# Altium PCB OpenBMS.PcbDoc (part 1 of 2)
Units mm, origin at the board's own origin, x right, y up, seen from the top; angles counter-clockwise.
Board outline 133 x 136.5 mm, 2 copper layers (Top Layer, Bottom Layer), stack 1.571 mm thick; 155 components, 104 nets, 805 pads, 63 vias.
Unrouted connection lines stored in the file: 35.
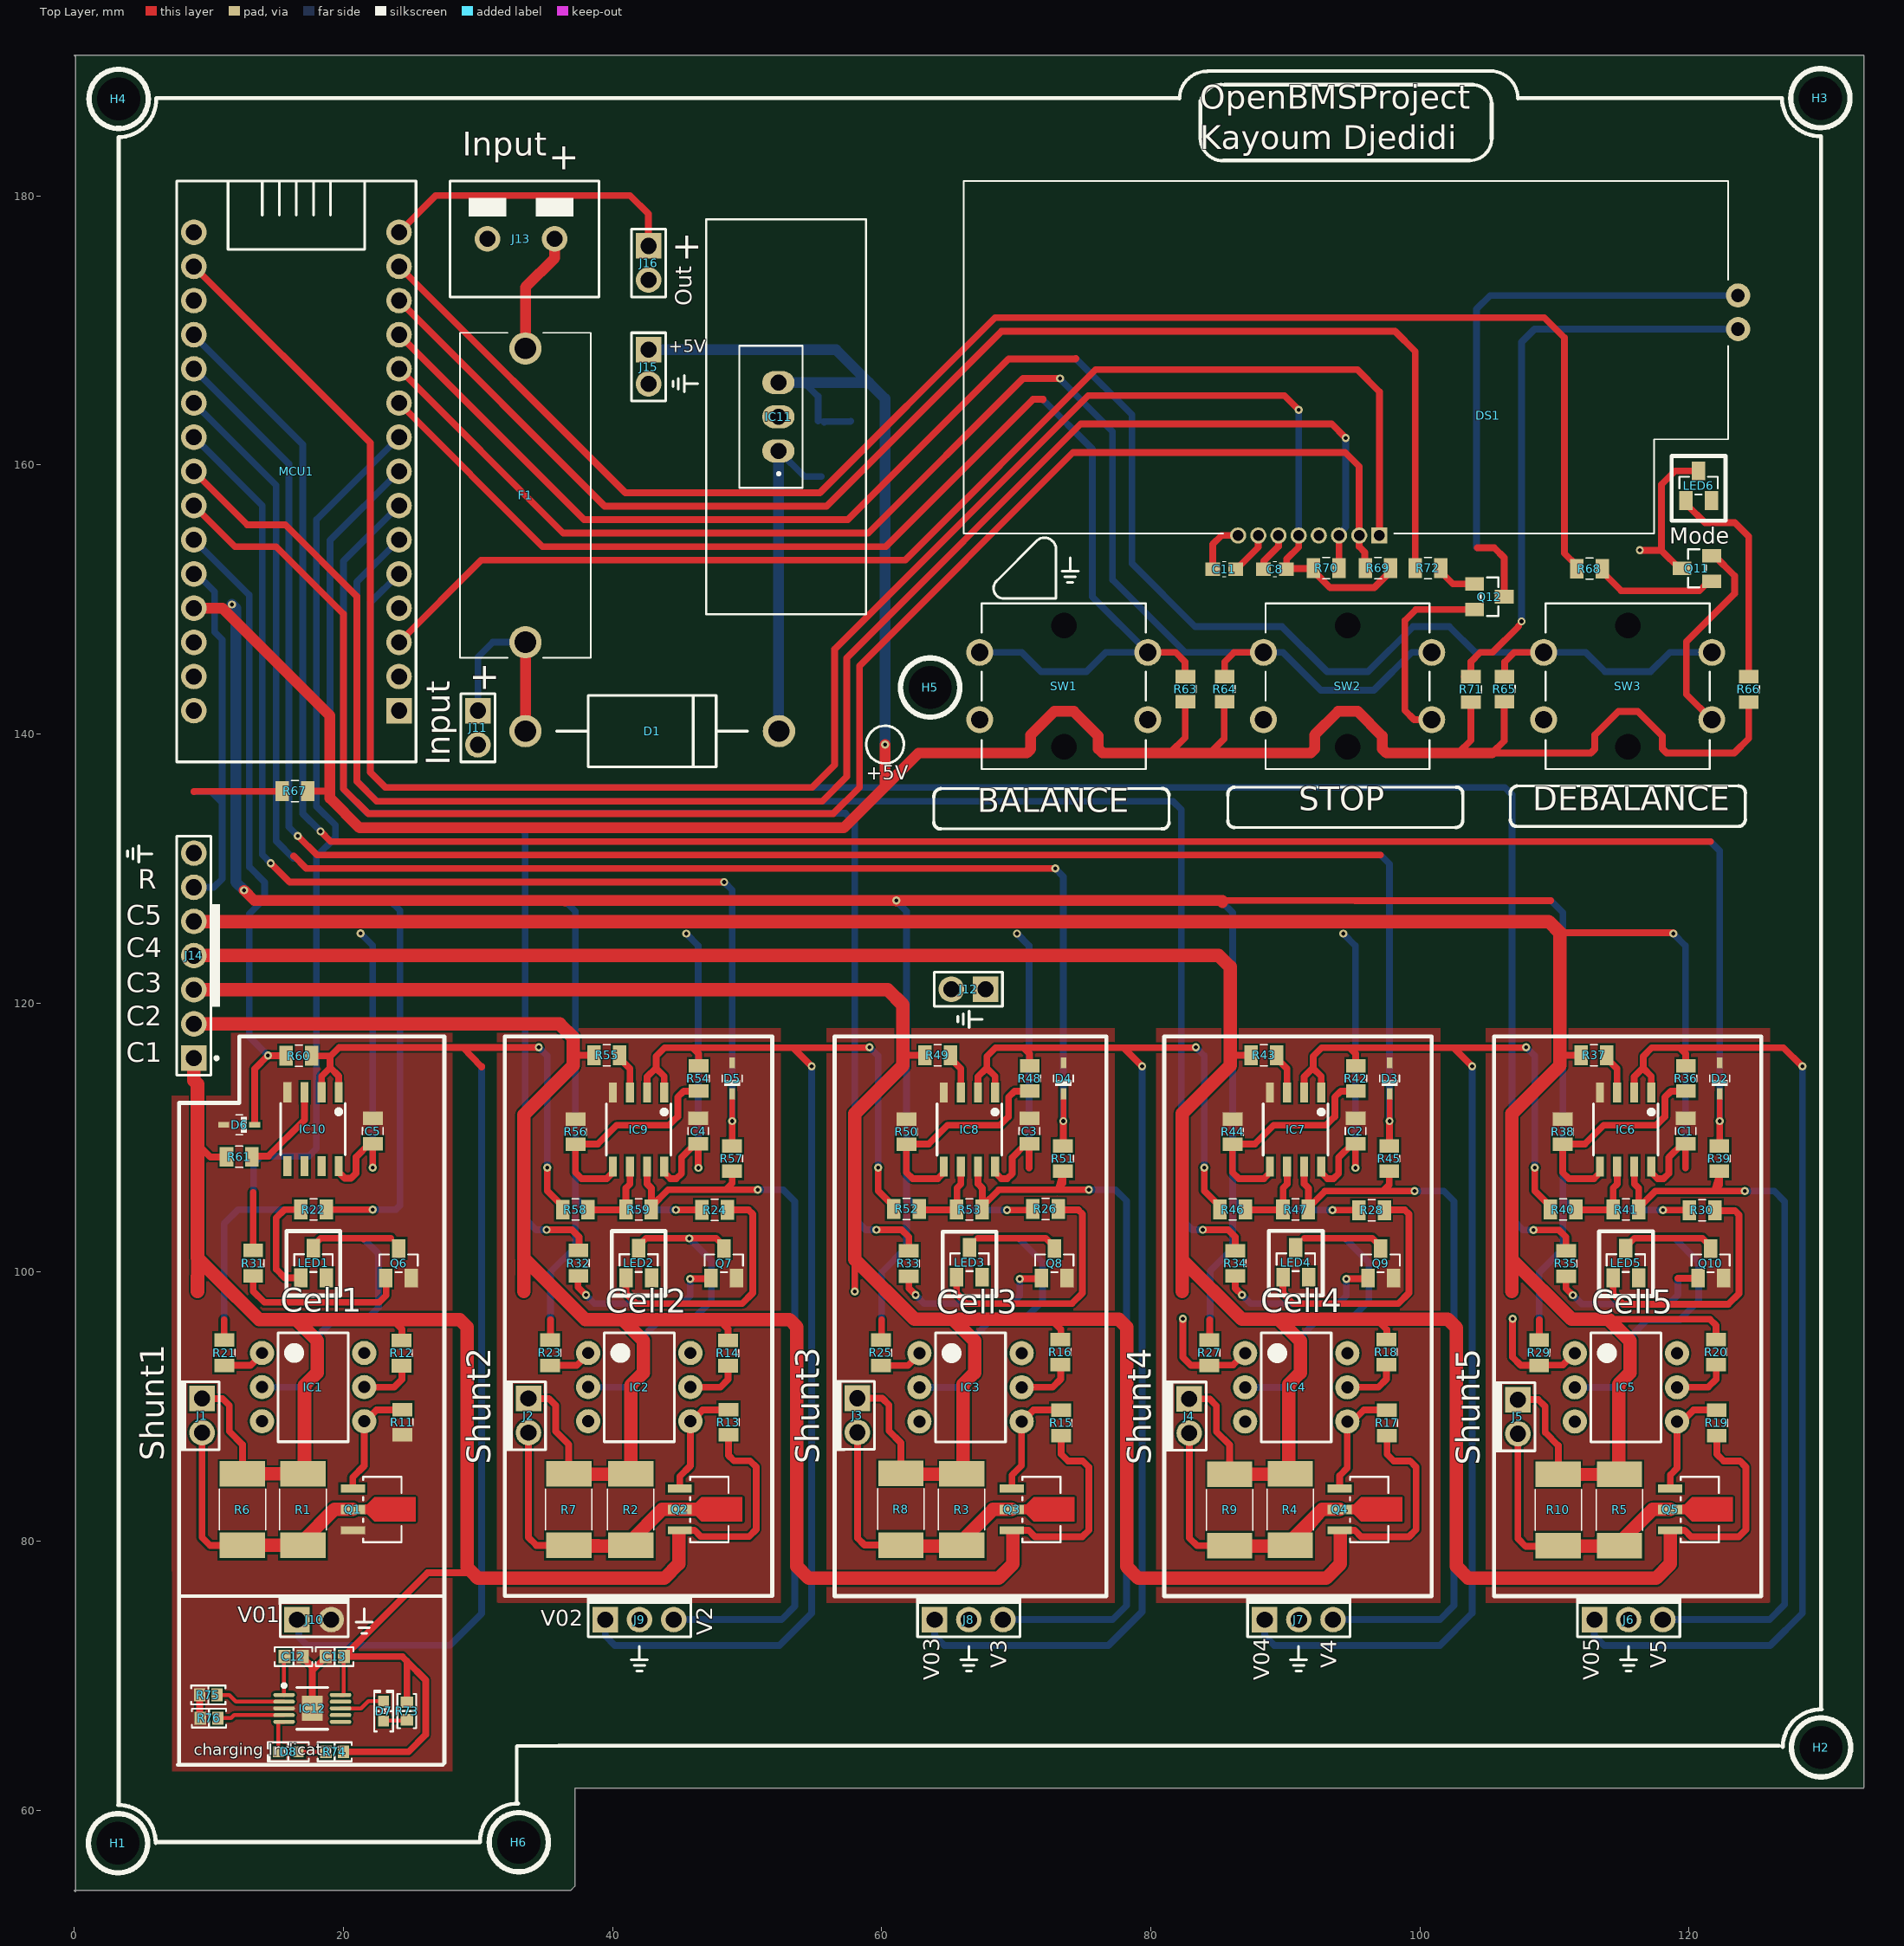
[diagram p0: Top Layer view]
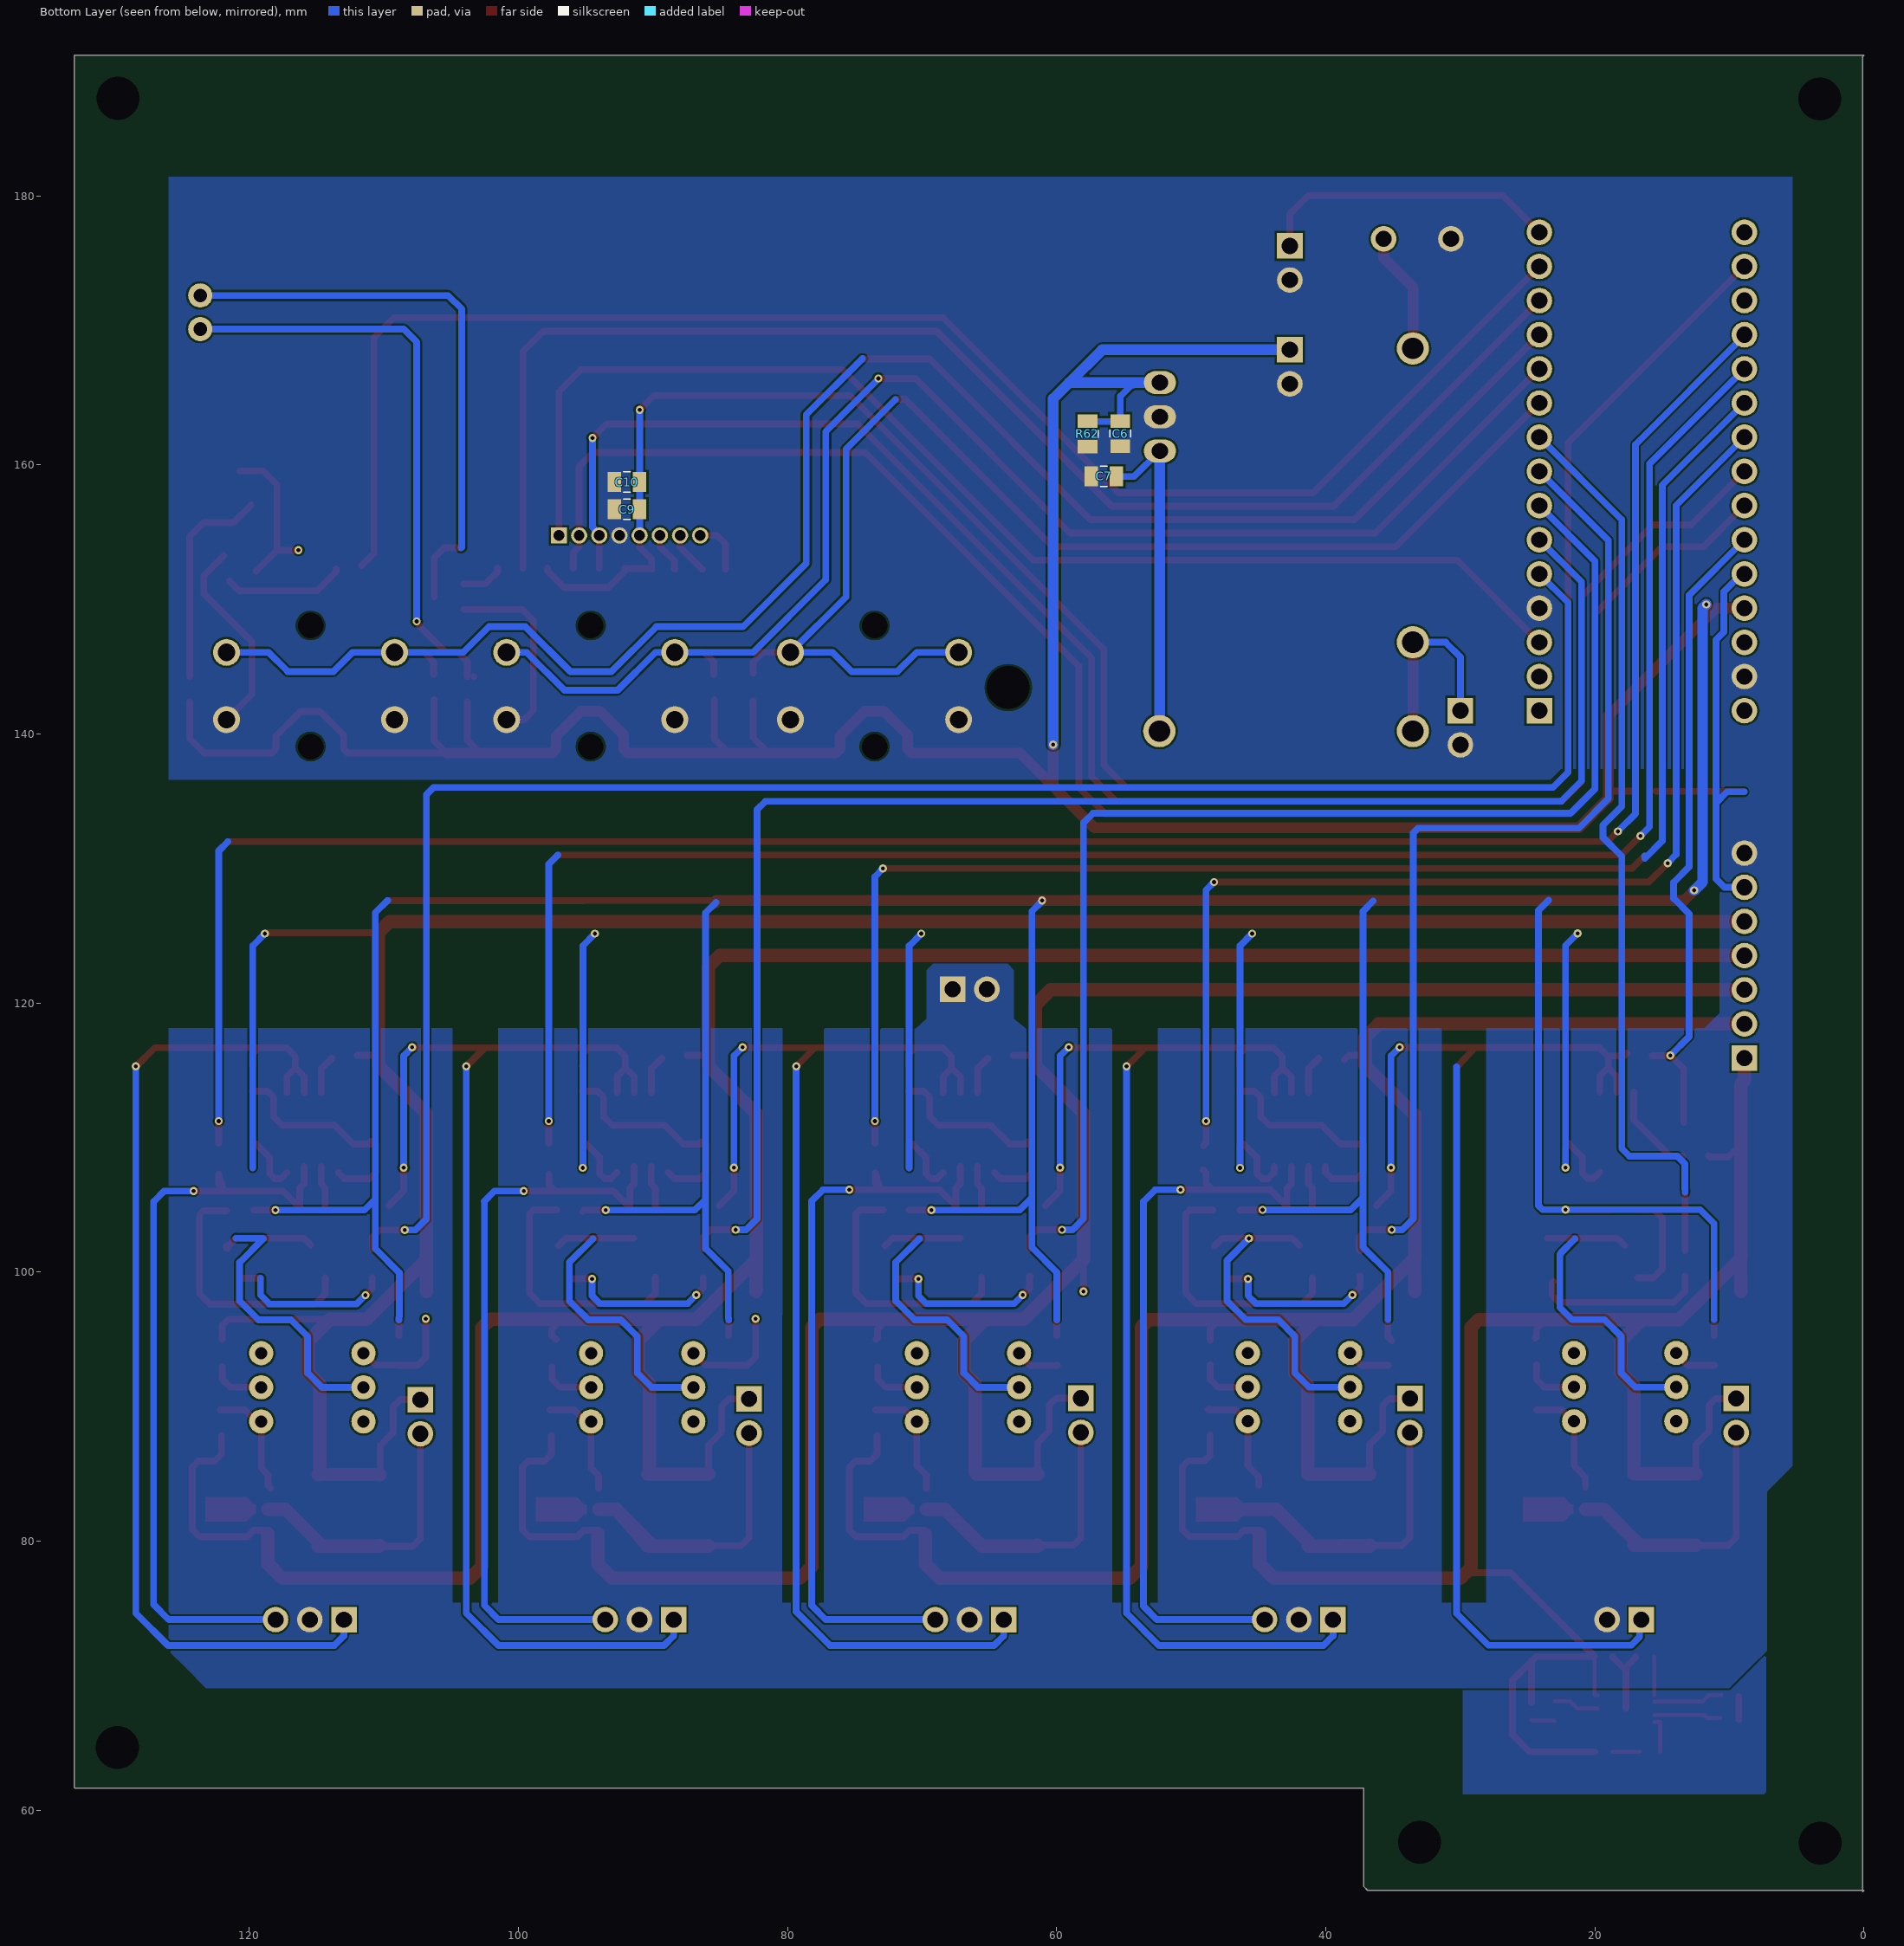
[diagram p1: Bottom Layer view, seen from below]
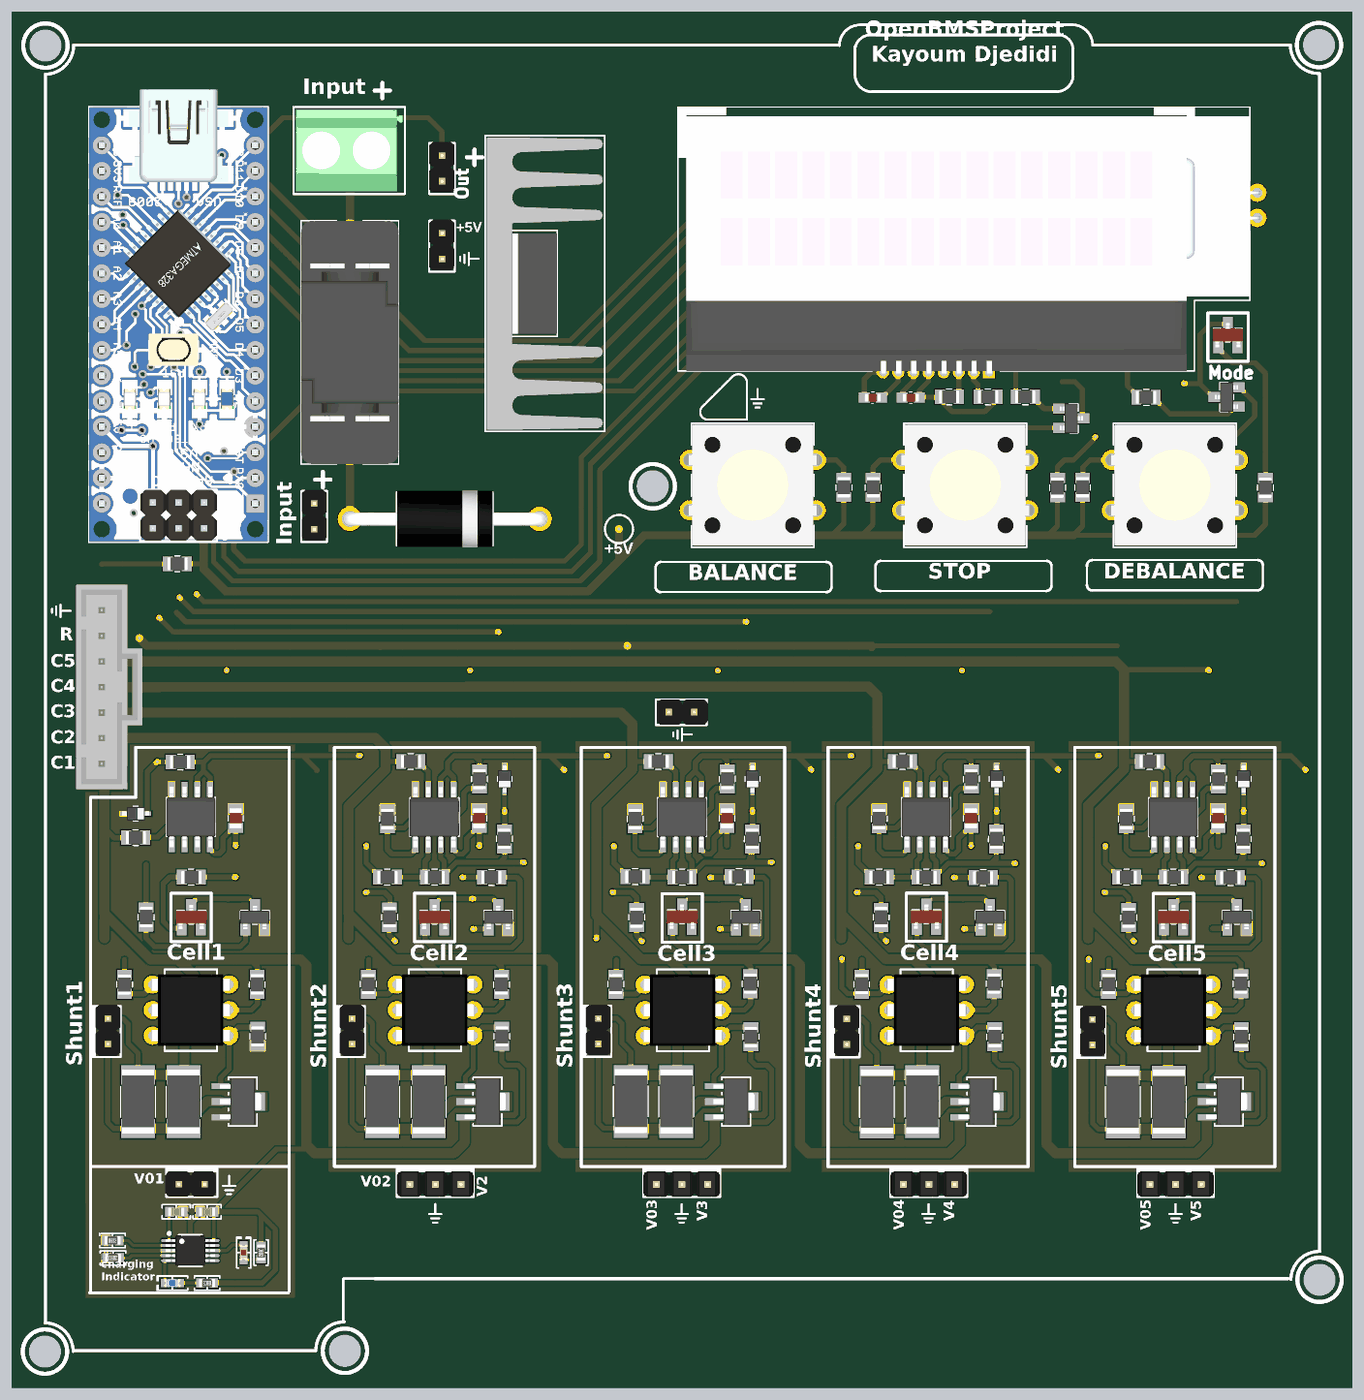
[diagram p3: 3D render of the assembled board from above, using the file's embedded part models]
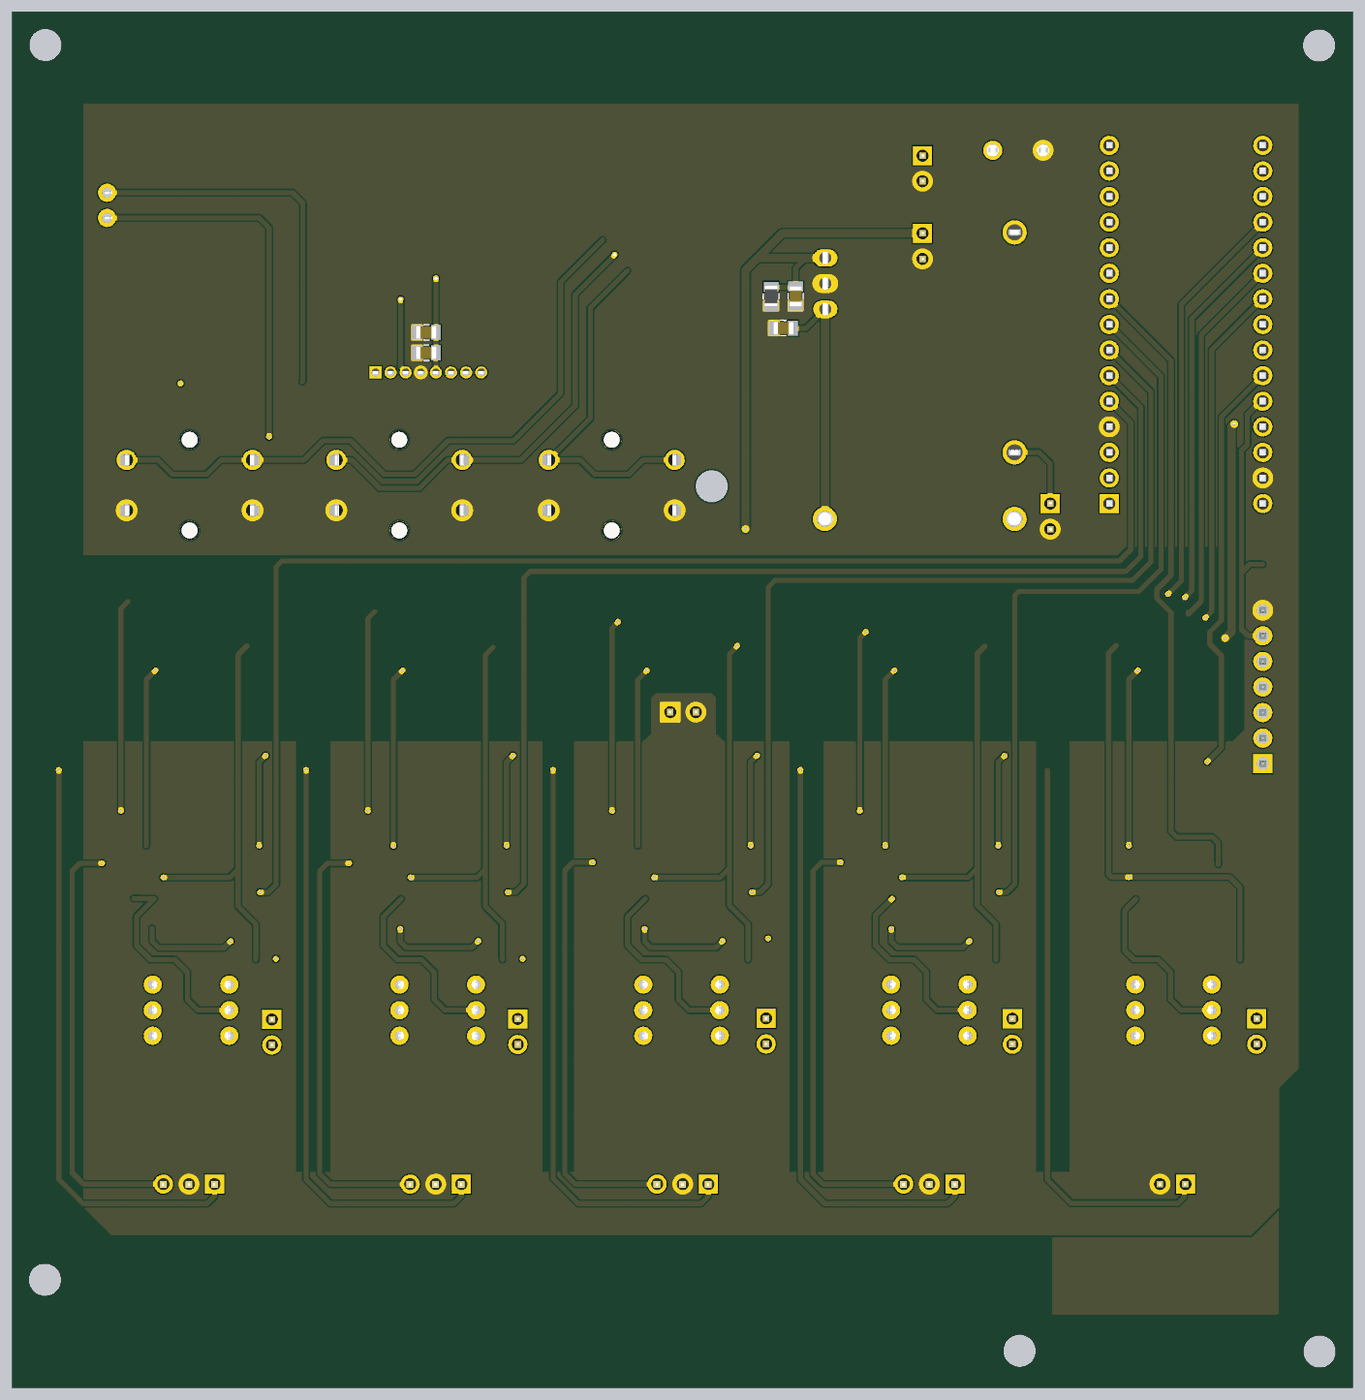
[diagram p4: 3D render of the assembled board from below, using the file's embedded part models]

## Layer stack, top to bottom
Top Solder: solder mask 0.0102, Solder Resist, Dk 3.5
Top Layer: signal copper 0.0356
Dielectric 1: dielectric 1.5, FR-4, Dk 4.8
Bottom Layer: signal copper 0.0356
Bottom Solder: solder mask 0.0102, Solder Resist, Dk 3.5

## Board outline
0,54.05 36.9,54.05 37.2,54.35 37.2,61.65 132.95,61.65 133,61.7 133,190.45 0,190.45 0.1,190.35 0.1,53.95

## Design rules (kind name [scope] priority, off if disabled: settings)
Clearance [All] p1: gap=0.15 ignorepadtopadclearanceinfootprint=FALSE
DiffPairsRouting [All] p1: maxlimit=0.254 minlimit=0.254 mostfreqgap=0.254 toplayer_minwidth=0.381 toplayer_maxwidth=0.381 toplayer_prefwidth=0.381 bottomlayer_minwidth=0.381 bottomlayer_maxwidth=0.381 bottomlayer_prefwidth=0.381 substack1={3FF6D924-385E-4952-8898-F95B7B63A073} toplayer_{3ff6d924-385e-4952-8898-f95b7b63a073}_minwidth=0.381 toplayer_{3ff6d924-385e-4952-8898-f95b7b63a073}_maxwidth=0.381 toplayer_{3ff6d924-385e-4952-8898-f95b7b63a073}_prefwidth=0.381 bottomlayer_{3ff6d924-385e-4952-8898-f95b7b63a073}_minwidth=0.381 bottomlayer_{3ff6d924-385e-4952-8898-f95b7b63a073}_maxwidth=0.381 bottomlayer_{3ff6d924-385e-4952-8898-f95b7b63a073}_prefwidth=0.381 substack2={795D81AB-7EBF-49B6-A8BA-B675E683C6A4} toplayer_{795d81ab-7ebf-49b6-a8ba-b675e683c6a4}_minwidth=0.381 toplayer_{795d81ab-7ebf-49b6-a8ba-b675e683c6a4}_maxwidth=0.381 toplayer_{795d81ab-7ebf-49b6-a8ba-b675e683c6a4}_prefwidth=0.381 bottomlayer_{795d81ab-7ebf-49b6-a8ba-b675e683c6a4}_minwidth=0.381 bottomlayer_{795d81ab-7ebf-49b6-a8ba-b675e683c6a4}_maxwidth=0.381 bottomlayer_{795d81ab-7ebf-49b6-a8ba-b675e683c6a4}_prefwidth=0.381 maxuncoupledlength=12.7
HoleSize [All] p1: absolutevalues=TRUE maxlimit=3.3 minlimit=0.025 maxpercent=80.000 minpercent=20.000
MinimumSolderMaskSliver [All] p1: minsoldermaskwidth=0.095
NetAntennae [All] p1 off: netantennaetolerance=130
PlaneConnect [All] p1: planeconnectstyle=Direct reliefexpansion=0.508 reliefentries=4 reliefconductorwidth=0.254 reliefairgap=0.254
PolygonConnect [All] p1: connectstyle=Direct reliefconductorwidth=0.254 reliefentries=4 polygonreliefangle="90 Angle" airgapwidth=0.254
RoutingVias [All] p1: holewidth=0.3 width=0.6 viastyle="Through Hole" minholewidth=3 minwidth=0.6 maxholewidth=0.3 maxwidth=0.6
SilkToSilkClearance [All] p1: silktosilkclearance=0.1
SilkToSolderMaskClearance [IsPad] p1: minsilkscreentomaskgap=0.1 clearancetoexposedcopper=TRUE
SolderMaskExpansion [All] p1: expansion=0.08 istentingtop=FALSE
Width [All] p1: maxlimit=0.15 minlimit=0.1 preferedwidth=0.1 substack1={3FF6D924-385E-4952-8898-F95B7B63A073} toplayer_{3ff6d924-385e-4952-8898-f95b7b63a073}_minwidth=0.3 toplayer_{3ff6d924-385e-4952-8898-f95b7b63a073}_maxwidth=3 toplayer_{3ff6d924-385e-4952-8898-f95b7b63a073}_prefwidth=0.5 bottomlayer_{3ff6d924-385e-4952-8898-f95b7b63a073}_minwidth=0.3 bottomlayer_{3ff6d924-385e-4952-8898-f95b7b63a073}_maxwidth=3 bottomlayer_{3ff6d924-385e-4952-8898-f95b7b63a073}_prefwidth=0.5 substack2={795D81AB-7EBF-49B6-A8BA-B675E683C6A4} toplayer_{795d81ab-7ebf-49b6-a8ba-b675e683c6a4}_minwidth=0.3 toplayer_{795d81ab-7ebf-49b6-a8ba-b675e683c6a4}_maxwidth=3 toplayer_{795d81ab-7ebf-49b6-a8ba-b675e683c6a4}_prefwidth=0.5 bottomlayer_{795d81ab-7ebf-49b6-a8ba-b675e683c6a4}_minwidth=0.3 bottomlayer_{795d81ab-7ebf-49b6-a8ba-b675e683c6a4}_maxwidth=3 bottomlayer_{795d81ab-7ebf-49b6-a8ba-b675e683c6a4}_prefwidth=0.5
23 further rules are at their usual default settings.

## Classes and differential pairs
component class U_Charging: C12 C13 D7 D8 IC12 R73 R74 R75

## Components (designator, comment, footprint, x,y, rotation, side; value= is the part's Value field where it differs from the comment)
C1 "100nF_35V" C_0805 119.766,110.475 r270 top
C2 "100nF_35V" C_0805 95.237,110.475 r270 top
C3 "100nF_35V" C_0805 71,110.475 r270 top
C4 "100nF_35V" C_0805 46.396,110.475 r270 top
C5 "100nF_35V" C_0805 22.21,110.475 r270 top
C6 "4,7uF_35V" C_0805 55.3,162.325 r90 bottom
C7 "1uF_35V" C_0805 56.5,159.125 r0 bottom
C8 "1uF_35V" C_0603 89.218,152.25 r0 top
C9 "1uF_35V" C_0805 91.923,156.725 r180 bottom
C10 "100nF_35V" C_0805 91.923,158.75 r180 bottom
C11 "1uF_35V" C_0603 85.45,152.25 r0 top
C12 "1µF" "CAP 0603_1608" 16.293,71.425 r180 top
C13 "1µF" "CAP 0603_1608" 19.351,71.425 r0 top
D1 "SB340_DO-201AD" DO-201AD 33.528,140.208 r180 top value=SB340
D2 "MM3Z4V7C_SOD-323F" SODFL2512X90N 122.265,114.4 r90 top value=MM3Z4V7C
D3 "MM3Z4V7C_SOD-323F" SODFL2512X90N 97.736,114.4 r90 top value=MM3Z4V7C
D4 "MM3Z4V7C_SOD-323F" SODFL2512X90N 73.499,114.4 r90 top value=MM3Z4V7C
D5 "MM3Z4V7C_SOD-323F" SODFL2512X90N 48.895,114.4 r90 top value=MM3Z4V7C
D6 "MM3Z4V7C_SOD-323F" SODFL2512X90N 12.255,110.95 r180 top value=MM3Z4V7C
D7 "Red" "LED 0603_1608 RED" 22.989,67.375 r90 top
D8 "Blue" "LED 0603_1608 BLUE" 15.908,64.35 r180 top
DS1 "LCD_FSTN_Display" LCD_NHD-C0216CIZ-FSW-FBW-3V3 91.734,171.05 r0 top
F1 "PTF0078P" FUSE_5X20 33.528,168.656 r270 top value="125 mA"
H1 "Drill hole" MOUNT_HOLE 3.254,57.55 r0 top
H2 "Drill hole" MOUNT_HOLE 129.8,64.675 r0 top
H3 "Drill hole" MOUNT_HOLE 129.75,187.25 r0 top
H4 "Drill hole" MOUNT_HOLE 3.302,187.198 r0 top
H5 "Drill hole" MOUNT_HOLE 63.6,143.45 r0 top
H6 "Drill hole" MOUNT_HOLE 33.034,57.625 r0 top
IC1 "4N25_DIP6" DIP6 13.95,93.99 r270 top
IC2 "4N25_DIP6" DIP6 38.19,93.99 r270 top
IC3 "4N25_DIP6" DIP6 62.797,93.98 r270 top
IC4 "4N25_DIP6" DIP6 87,93.98 r270 top
IC5 "4N25_DIP6" DIP6 111.503,93.98 r270 top
IC6 "OPA2197IDR_8-SOIC" SOIC8 115.282,110.6 r180 top
IC7 "OPA2197IDR_8-SOIC" SOIC8 90.753,110.6 r180 top
IC8 "OPA2197IDR_8-SOIC" SOIC8 66.516,110.6 r180 top
IC9 "OPA2197IDR_8-SOIC" SOIC8 41.931,110.6 r180 top
IC10 "OPA2197IDR_8-SOIC" SOIC8 17.745,110.625 r180 top
IC11 "LM7805_TO220" TO220 52.324,161.036 r90 top
IC12 "BQ24092DGQT" "TI PDSO-10 DCQ" 17.691,67.575 r0 top
J1 "2.54mm pitch" HDR_1X2_2.54MM-MALE 9.5,90.6 r0 top
J2 "2.54mm pitch" HDR_1X2_2.54MM-MALE 33.75,90.6 r0 top
J3 "2.54mm pitch" HDR_1X2_2.54MM-MALE 58.2,90.627 r0 top
J4 "2.54mm pitch" HDR_1X2_2.54MM-MALE 82.856,90.575 r0 top
J5 "2.54mm pitch" HDR_1X2_2.54MM-MALE 107.275,90.525 r0 top
J6 "2.54mm pitch" HDR_1X3_2.54MM-MALE 112.96,74.175 r0 top
J7 "2.54mm pitch" HDR_1X3_2.54MM-MALE 88.46,74.175 r0 top
J8 "2.54mm pitch" HDR_1X3_2.54MM-MALE 63.937,74.175 r0 top
J9 "2.54mm pitch" HDR_1X3_2.54MM-MALE 39.46,74.175 r0 top
J10 "2.54mm pitch" HDR_1X2_2.54MM-MALE 16.559,74.175 r90 top
J11 "2.54mm pitch" HDR_1X2_2.54MM-MALE 29.993,141.732 r0 top
J12 "2.54mm pitch" HDR_1X2_2.54MM-MALE 67.716,121.025 r270 top
J13 "5mm pitch" TERMINAL_90_5MM 35.7,176.8 r180 top
J14 "Header connector 1x7" HDR_1X7_2.54MM-MALE 8.89,115.904 r180 top
J15 "2.54mm pitch" HDR_1X2_2.54MM-MALE 42.672,168.559 r0 top
J16 "2.54mm pitch" HDR_1X2_2.54MM-MALE 42.672,176.274 r0 top
LED1 "LED_SOT23" LED_SOT23 17.775,100.55 r0 top
LED2 "LED_SOT23" LED_SOT23 41.943,100.55 r0 top
LED3 "LED_SOT23" LED_SOT23 66.516,100.6 r0 top
LED4 "LED_SOT23" LED_SOT23 90.772,100.6 r0 top
LED5 "LED_SOT23" LED_SOT23 115.3,100.55 r0 top
LED6 "LED_SOT23" LED_SOT23 120.7,158.325 r0 top
MCU1 "Arduino NANO v 3.0" ARDUINO_NANO_V3.0 24.13,141.732 r180 top
Q1 "2SK3065_SOT89" N_MOSFET 23.022,82.362 r270 top value=Value
Q2 "2SK3065_SOT89" N_MOSFET 47.318,82.362 r270 top value=Value
Q3 "2SK3065_SOT89" N_MOSFET 72,82.362 r270 top value=Value
Q4 "2SK3065_SOT89" N_MOSFET 96.353,82.362 r270 top value=Value
Q5 "2SK3065_SOT89" N_MOSFET 120.922,82.362 r270 top value=Value
Q6 "BC846B_SOT23" NPN_BJT_SOT23 24.1,100.525 r0 top
Q7 "BC846B_SOT23" NPN_BJT_SOT23 48.268,100.525 r0 top
Q8 "BC846B_SOT23" NPN_BJT_SOT23 72.828,100.525 r0 top
Q9 "BC846B_SOT23" NPN_BJT_SOT23 97.084,100.525 r0 top
Q10 "BC846B_SOT23" NPN_BJT_SOT23 121.6,100.525 r0 top
Q11 "BC846B_SOT23" NPN_BJT_SOT23 120.7,152.306 r90 top
Q12 "BC846B_SOT23" NPN_BJT_SOT23 105.031,150.2 r270 top
R1 "39R_2W" R_2512 17,82.35 r270 top
R2 "39R_2W" R_2512 41.35,82.35 r270 top
R3 "39R_2W" R_2512 65.941,82.35 r270 top
R4 "39R_2W" R_2512 90.356,82.35 r270 top
R5 "39R_2W" R_2512 114.825,82.325 r270 top
R6 "39R_2W" R_2512 12.5,82.35 r270 top
R7 "39R_2W" R_2512 36.75,82.35 r270 top
R8 "39R_2W" R_2512 61.425,82.375 r270 top
R9 "39R_2W" R_2512 85.856,82.325 r270 top
R10 "39R_2W" R_2512 110.275,82.325 r270 top
R11 "10k_125mW" R_0805 24.349,88.85 r90 top
R12 "1k_125mW" R_0805 24.349,93.98 r270 top
R13 "10k_125mW" R_0805 48.589,88.85 r90 top
R14 "1k_125mW" R_0805 48.608,93.98 r270 top
R15 "10k_125mW" R_0805 73.319,88.8 r90 top
R16 "1k_125mW" R_0805 73.3,94.05 r270 top
R17 "10k_125mW" R_0805 97.522,88.8 r90 top
R18 "1k_125mW" R_0805 97.522,94.05 r270 top
R19 "10k_125mW" R_0805 122.025,88.8 r90 top
R20 "1k_125mW" R_0805 122.025,94.05 r270 top
R21 "100R_500mW" R_0805 11.131,94.005 r90 top